# Allegro board trx_layout.brd (continued)
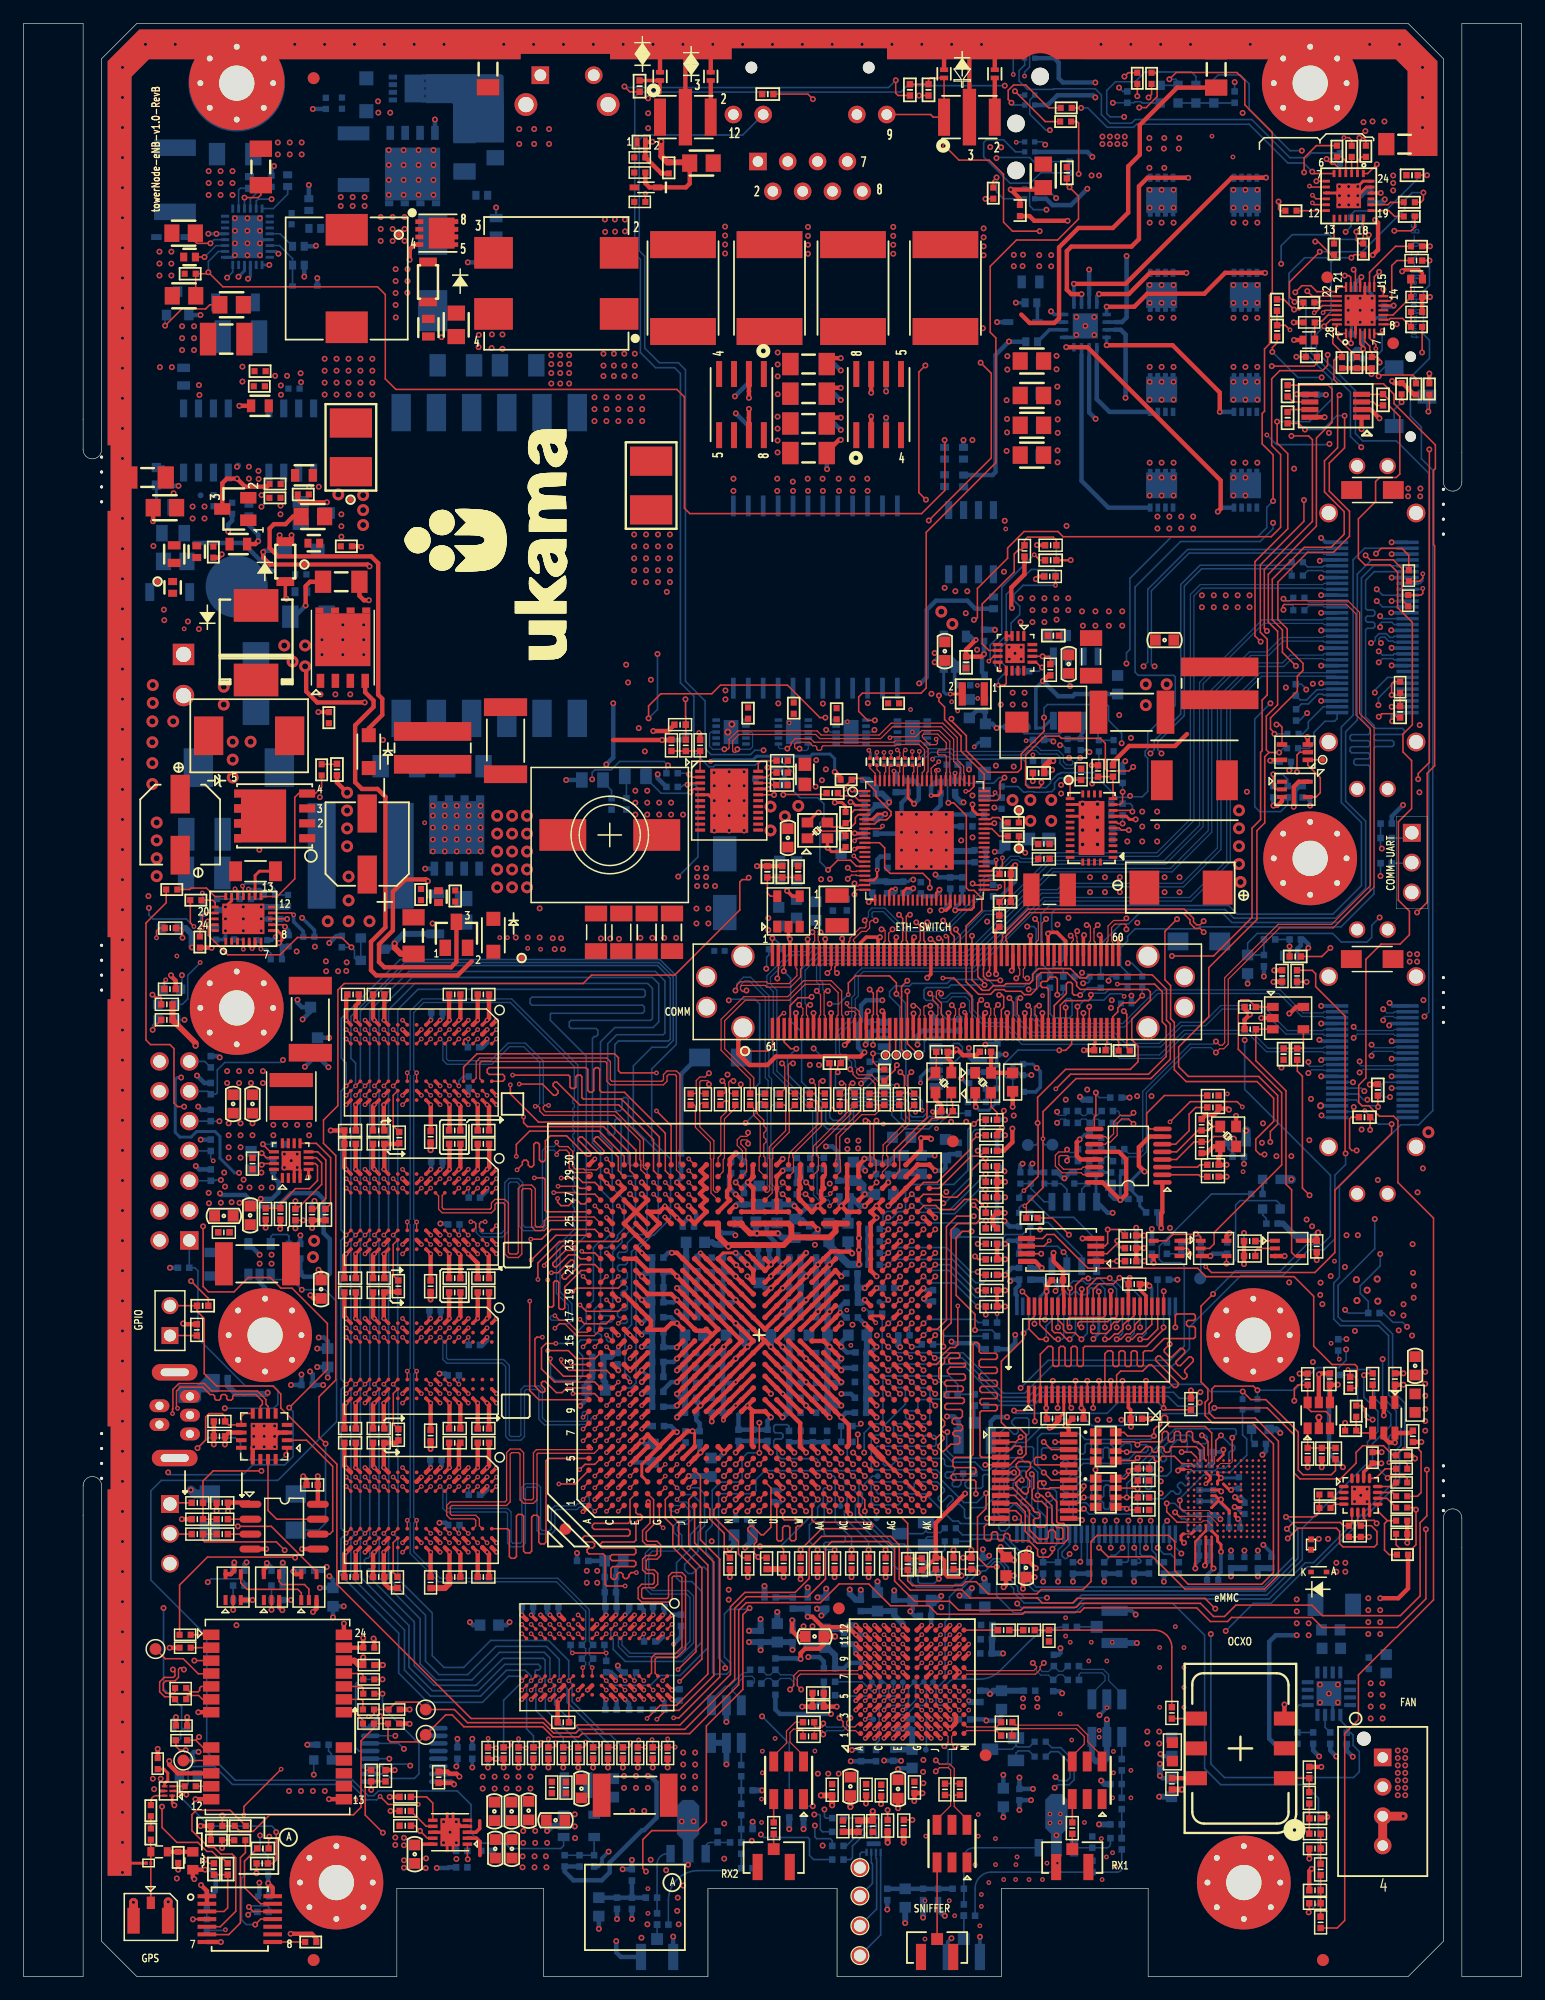
[diagram p0: board, top side]
## Routing (per net, layer and track width the routed paths; a pad name or vN(x,y) marks a point on that pad's centre or on a via; arc(x,y) is an arc through that point) (continued)
  TOP w0.137: R184.2 U31.3
N42451093: length 18.7
  TOP w0.137: v1(14.82,44.99) 15.52,45.69 15.52,47.65 15.8,47.93 16.94,47.93 17.17,47.69 C116.2 17.47,46.97 U26.9 18.55,47.69 18.81,47.94 U26.8 ; v1(22.38,44.42) 22.45,44.5 U26.1
  BOTTOM w0.137: v1(14.82,44.99) 15.7,45.87 18.03,45.87 18.49,45.41 18.49,44.29 18.8,43.99 21.95,43.99 v1(22.38,44.42)
N42452839: length 16.5
  BOTTOM w0.381: v1(53.19,17.08) 53.38,17.08 53.93,16.53 53.93,13.52 52.87,12.46 52.7,12.46 49.94,9.7 49.94,8.86 49.27,8.19 46.84,8.19 46.1,8.94 R477.1 C455.1
  vias: v1(51.16,17.08) v1(51.16,16.06) v1(52.17,17.08) v1(52.17,16.06) v1(53.19,16.06)
N42452847: length 4.1
  BOTTOM w0.137: R477.2 C455.2 R476.2 U69.5
N42452897: length 20.5
  BOTTOM w0.381: v1(16.74,66.68) 16.87,66.55 18.89,66.55 19.87,65.56 21.65,65.56 22.79,66.7 25.04,66.7 25.56,66.18 25.56,63.31 26.09,62.78 26.09,59.86 25.82,59.59 23.85,59.59 R388.1 C284.1
  vias: v1(15.77,66.73) v1(15.8,65.84) v1(16.81,65.89)
N42452899: length 5.5
  BOTTOM w0.137: R388.2 C284.2 R375.2 22.62,63.04 22.48,63.18 21.24,63.18 21.07,63 U63.5
N42578486: length 5.4
  TOP w0.137: C175.1 F5.2 D15.1 CON1.1
N42578540: length 1.8
  TOP w0.137: U41.6 11.33,15.4 arc(10.99,15.26) 10.85,14.91 L16.2
N42578542: length 1
  TOP w0.137: C175.2 L16.1
N42578544: length 3.5
  TOP w0.203: U41.2 13.08,15.8 13.39,15.49 v1(13.87,15.49) ; 12.02,16.36 U41.4
  TOP w0.254: C151.2 11.97,17.65 12.3,17.32 12.3,16.71 12.02,16.44 12.02,16.36
  vias: v1(11.02,16.84) v1(11.69,16.85)
N42578615: length 2.2
  TOP w0.381: F5.1 C180.1 FB1.1
N42578696: length 2.2
  TOP w0.137: R212.2 28.92,21.82 28.24,22.5 U37.18
N42578710: length 2.4
  TOP w0.137: U37.19 28.78,23.6 28.92,23.46 R209.2
N42578712: length 2.2
  TOP w0.137: U37.20 28.8,24.7 28.94,24.56 R207.2
N42578726: length 2
  TOP w0.137: R205.2 28.94,25.62 28.76,25.8 U37.21
N42578764: length 1.7
  TOP w0.137: R204.2 U37.2
N42578893: length 5.6
  TOP w0.137: TP17.1 12.07,27.06 13.61,27.06 14.89,25.78 15.97,25.78 U37.4
N42578999: length 2.6
  TOP w0.132: U37.5 15.14,24.7 15.01,24.57 15.01,24.37 14.88,24.24 14.18,24.24 R206.1
N42579001: length 2.5
  TOP w0.132: U37.6 15.25,23.6 14.92,23.93 13.99,23.93 13.86,23.8 R208.1
N42579047: length 3.8
  TOP w0.137: R215.1 14.68,20.12 ; 14.68,20.12 v1(14.96,20.4) ; 14.68,20.12 15.3,19.5 U37.8
  BOTTOM w0.152: R215.1 14.68,20.12 v1(14.96,20.4)
N42579075: length 1.7
  TOP w0.137: U37.1 R202.1
N42579110: length 1.1
  TOP w0.137: C155.1 U41.3
N42579218: length 2.4
  TOP w0.137: U37.9 15.99,18.39 TP20.1
N42624203:
  vias: v1(94.03,96.65) v1(95.3,99.19) v1(95.3,97.92) v1(95.3,96.65) v1(96.57,99.19) v1(96.57,97.92) v1(96.57,96.65)
N42624207: length 9.6
  TOP w0.254: U8.8 93.95,98.79 94.21,98.52 v1(94.74,98.52)
  TOP w0.381: 99.11,105.79 98.09,104.78 94.19,104.78 92.81,103.4 R75.2
  vias: v3(103.54,99.29) v3(103.54,97.76) v3(103.54,96.24) v3(103.54,94.72) v3(103.67,93.19)
N42624232: length 3.1
  TOP w0.137: U8.11 R75.1 R74.2
N42624335: length 2.9
  TOP w0.137: U8.6 93.34,97.79 93.52,97.61 v1(94.16,97.61)
  BOTTOM w0.137: v1(94.16,97.61) 92.91,97.61 C222.1
N42624343: length 1.6
  TOP w0.137: v1(93.63,98.17) 93.22,98.17 93.1,98.29 U8.7
  BOTTOM w0.137: C220.2 v1(93.63,98.17)
N42624475: length 2.5
  TOP w0.137: v1(93.63,100.86) 93.63,100.86 93.63,100 93.41,99.79 U8.10
  BOTTOM w0.137: v1(93.63,100.86) 93.63,100.87 C209.2
N42624491: length 3.1
  TOP w0.137: U8.9 94.36,99.29 v1(94.46,99.19)
  BOTTOM w0.137: v1(94.46,99.19) 94.46,99.68 94.27,99.87 R294.2
N42679388: length 1.3
  BOTTOM w0.137: U59.8 R319.2
N42679435: length 1.4
  BOTTOM w0.137: U58.8 R316.2
N42693172: length 2.7
  TOP w0.137: R230.2 R229.2 v1(29.62,15.89)
  BOTTOM w0.137: U68.1 29.54,15.97 v1(29.62,15.89)
N42694907: length 7.3
  TOP w0.107: U1.AF29 73.17,68.5 73.64,68.97 73.64,69.81 73.53,69.92 73.53,70.67 75.45,72.6 75.45,73.79 R121.2
N42694909: length 7.2
  TOP w0.107: R120.2 74.61,74.57 74.71,74.68 74.98,74.68 75.15,74.51 75.15,73.91 75.15,72.72 73.22,70.8 73.22,69.9 73.17,69.85 U1.AF30
N42710595: length 1.9
  BOTTOM w0.137: R296.1 117.82,96.93 J3.1
N42710598: length 1.7
  BOTTOM w0.137: J3.2 118.21,94.79 R298.1
N42788664: length 5
  TOP w0.381: v1(24.03,116.74) 24.03,118.38 24.42,118.76 R59.2
  BOTTOM w0.381: C199.1 23.08,115.78 24.03,116.73 v1(24.03,116.74)
N42788670:
  vias: v1(34.85,89.66)
N42788707: length 7.8
  BOTTOM w0.381: 21.33,119.7 21.05,119.7 18.69,122.06 14.53,122.06
N42795245: length 4.4
  TOP w0.381: R90.2 11.05,123.92 v1(11.04,123.91)
  BOTTOM w0.254: D24.A 11.32,125.46 11.04,125.18 v1(11.04,123.91)
N43028949: length 3.1
  BOTTOM w0.132: J13.35 110.76,120.11 110.67,120.02 109.39,120.02 R2.2
N43028955: length 3.1
  BOTTOM w0.132: R3.2 109.42,119.71 110.67,119.71 110.76,119.61 J13.36
N43067466: length 3.2
  TOP w0.137: R1.2 R8.1 108.86,79.02 109.03,79.18 U10.4
N43154729: length 35.9
  TOP w0.137: R481.2 74.24,77.2 74.24,77.44 v1(74.4,77.6) ; U1.AJ13 v1(76.67,51.61)
  L3-SIGNAL w0.127: v2(73.24,72.59) 73.24,72.92 72.88,73.29 72.88,76.08 v1(74.4,77.6)
  L6-SIGNAL w0.127: v1(76.67,51.61) 77.49,51.61 79.24,53.37 80.15,54.27 80.15,57.43 79.74,57.84 79.74,68.89 77.9,70.74 74.71,70.74 73.24,72.2 v2(73.24,72.59)
N43208299: length 2
  TOP w0.137: U44.7 107.9,133.42 R628.2
N43208302: length 2.1
  TOP w0.137: U44.6 108.14,134.07 R629.2
N43208378: length 37.8
  TOP w0.137: R630.2 113.44,50.09 113.62,50.27 113.62,51.92 113.43,52.11 111.47,52.11 109.91,53.67 109.91,57.91 108.23,59.59 100.74,59.59 100.02,60.31 98.41,60.31 90.67,60.31 87.8,63.18 87.16,63.18 86.82,62.84 U19.5
N43208587: length 3.1
  TOP w0.137: U21.24 110.65,142.27 110.07,141.69 109.98,141.69 v2(109.95,141.66)
  BOTTOM w0.137: R632.1 109.95,142.48 v2(109.95,141.66)
N43208593: length 6.8
  TOP w0.137: U21.25 110.91,141.87 v2(110.7,141.67) ; R633.1 v1(108.43,137.91)
  L3-SIGNAL w0.127: v2(110.7,141.67) 109.45,140.42 109.45,138.94 v1(108.43,137.91)
N43211621: length 4.9
  TOP w0.137: U83.5 63.63,91.99 63.37,92.25 R545.2 C600.2 R546.2
N43242042: length 10.5
  TOP w0.137: R622.2 18.9,10.54 18.48,10.12 18.48,4.56 17.48,3.57 15.65,3.57 U87.6
N43242052: length 18.9
  TOP w0.137: R623.2 17.61,14.16 14.72,14.16 14.35,13.79 14.35,12.41 15.76,11 16.23,11 16.8,10.43 17.77,10.43 18.09,10.11 18.09,5.56 16.77,4.24 U87.5
N43242094: length 3.4
  TOP w0.137: v1(14.43,4.87) 14.45,4.89 U87.4
  BOTTOM w0.137: v1(14.43,4.87) 14.44,4.87 R682.2 15.62,5.93 R624.1
N43270144: length 2.8
  TOP w0.137: R621.1 119.76,133.33 v1(119.67,133.25)
  BOTTOM w0.137: v1(119.67,133.25) 119.56,133.36 SW10.2
N43275465: length 5
  TOP w0.137: v1(113.54,148.56) 113.54,148.56 113.54,147.83 113.82,147.55 R634.2 114.13,148.03 114.14,148.03 U242.18
  BOTTOM w0.137: v1(113.54,148.56) 114.04,149.06 R674.2
N43315191: length 3
  TOP w0.137: U242.19 116.3,150.36 116.8,149.86 R635.2
N43315200: length 2.9
  TOP w0.137: R636.2 117.57,151.06 116.44,151.06 116.24,150.86 U242.20
N43315266: length 2.8
  TOP w0.137: R637.1 U87.8
N43362872: length 4.4
  TOP w0.137: U87.12 19.57,5.54 19.2,5.9 v1(19.2,5.92)
  BOTTOM w0.137: R616.1 20.91,5.53 20.91,5.89 20.79,6.02 19.3,6.02 v1(19.2,5.92)
N43362878: length 6.8
  TOP w0.137: U87.13 20.21,6.19 18.83,7.57 18.83,9.82 R627.1
N43366572: length 114.5
  TOP w0.137: U1.AG15 v2(73.68,54.61) ; R638.1 21.24,9.63 21.53,9.92 v1(21.53,12.29) ; v2(30.38,15.33) 31.06,14.65 v2(33.63,14.65)
  L3-SIGNAL w0.127: v2(33.63,14.65) 57.43,14.65 58.35,15.57 58.35,21.51 57.93,21.92 57.93,31.99 57.45,32.47 57.45,43.63 60.02,46.2 66.58,46.2 67.89,47.51 67.89,52.5 68.48,53.09 69.82,53.09 70.48,53.74 v2(70.48,53.74)
  L6-SIGNAL w0.127: v2(70.48,53.74) 70.87,54.13 72.97,54.13 73.44,54.61 v2(73.68,54.61)
  BOTTOM w0.137: v1(21.53,12.29) 21.53,12.44 21.16,12.8 15.85,12.8 13.34,15.32 13.34,15.7 14.02,16.38 14.02,17.62 14.28,17.88 16.27,17.88 17.8,16.35 27.91,16.35 29.22,15.04 30.09,15.04 v2(30.38,15.33)
N43380700: length 1.4
  TOP w0.107: U243.80 75.75,102.5 75.85,102.59 75.85,103 C608.1
N43380720: length 1.4
  TOP w0.107: U243.82 74.95,102.99 C614.1
N43380722: length 1.4
  TOP w0.107: U243.83 74.55,102.5 74.65,102.59 74.65,102.99 C611.1
N43380724: length 1.4
  TOP w0.107: C615.1 73.45,102.99 73.45,102.59 73.35,102.5 U243.86
N43380726: length 1.4
  TOP w0.107: U243.85 73.75,102.99 C609.1
N43380728: length 1.4
  TOP w0.107: C613.1 72.7,102.77 72.95,102.52 U243.87
N43380730: length 1.5
  TOP w0.107: C612.1 72.1,102.9 72.55,102.45 U243.88
N43380823: length 1.4
  TOP w0.107: U243.79 76.15,102.98 C610.1
N43385255: length 7.5
  TOP w0.381: v2(81.15,113.8) 81.13,113.8 81.13,113.82 80.29,112.98 C637.2 81.61,112.38 v1(81.82,112.59)
  BOTTOM w0.381: v2(81.15,113.8) 81.13,113.8 81.13,113.86 80.9,113.86 80.65,114.1 U245.5 ; R640.1 81.65,111.06 81.65,112.42 v1(81.82,112.59) R641.1
N43385297: length 3.8
  TOP w0.254: v2(78.95,109.2) 79.96,109.2 L50.2
  BOTTOM w0.254: v2(78.95,109.2) 78.57,109.2 78.39,109.38 U245.3
N43486484: length 2.2
  TOP w0.137: U246.4 v2(18.73,87.47)
  BOTTOM w0.137: v2(18.73,87.47) 18.73,88.13 18.56,88.3 C645.1
N43486486: length 1.9
  TOP w0.137: U246.22 15.86,90.06 v2(15.68,89.87)
  BOTTOM w0.381: v2(15.68,89.87) 15.68,89.62 16.07,89.24 C646.1
N43486488: length 2.1
  TOP w0.137: U246.9 22.14,89.56 22.28,89.42 v1(22.28,89.38)
  BOTTOM w0.305: C647.1 22.6,89.06 v1(22.28,89.38)
N43486622: length 3.7
  TOP w0.137: U246.17 18.23,92.46 18.1,92.59 18.04,92.59 v2(18.02,92.61)
  BOTTOM w0.137: R646.2 R645.1 18.43,92.21 v2(18.02,92.61)
N43486628: length 5.5
  TOP w0.137: U246.16 18.73,92.63 18.66,92.7 v2(18.66,92.85)
  BOTTOM w0.137: v2(18.66,92.85) 18.85,93.04 20.96,93.04 21.43,92.56 R643.1 R644.2
N43486642: length 4.2
  TOP w0.137: U246.11 22.83,90.56 22.99,90.4 v2(23.02,90.4)
  BOTTOM w0.305: v2(23.02,90.4) 23.02,89.81 23.84,88.99 R647.1
N43486656: length 3.1
  TOP w0.137: v2(20.22,87.49) 20.23,87.49 20.24,87.49 20.24,88.15 U246.7
  BOTTOM w0.137: R648.1 19.82,87.89 v2(20.22,87.49) 20.23,87.48 20.72,87.48 21.07,87.14 R649.2
N43486718: length 3.3
  TOP w0.254: 21.08,94.11 20.09,94.11 19.73,93.74 U246.14
N43487761: length 4.5
  TOP w0.137: U246.19 16.3,91.96 15.58,92.68 14.28,92.68 14.15,92.55 R654.2
N43487763: length 1.6
  TOP w0.137: U246.20 16.33,91.44 16.13,91.64 R651.2
N43487767: length 4.4
  TOP w0.137: U246.21 15.46,90.56 15.24,90.34 v2(15.24,89.3) 15.02,89.08 R652.2
  BOTTOM w0.137: R653.2 15.08,90.29 15.08,89.46 v2(15.24,89.3)
N43521988: length 0.9
  BOTTOM w0.137: R655.1 82.92,76.52 U248.4
N43521990: length 2.4
  BOTTOM w0.137: R657.1 80.57,77.01 R656.2 82.89,77.01 U248.5
N43539411: length 14.1
  TOP w0.137: R716.2 25.4,101.26 24.86,100.72 Q1.4 23.44,100.72 23.11,100.4 23.11,93.46 21.61,91.96 U246.13
N43714392: length 40.2
  TOP w0.137: v2(75.59,52.71) 75.18,53.11 U1.AH14 ; R661.1 68.78,77.64 68.78,74.11 69.18,73.71 69.45,73.71 v2(69.57,73.59)
  L3-SIGNAL w0.127: v2(75.59,52.71) 75.59,52.72 75.21,53.1 75.21,53.85 74.98,54.08 72.36,54.08 72.23,54.2 72.23,54.8 72.69,55.26 73.02,55.26 73.15,55.39 73.15,69.73 76.04,72.62 76.04,73.62 75.96,73.69 75.95,73.69 75.95,73.6 76.01,73.6 76.01,73.6 v2(75.99,73.6)
  BOTTOM w0.137: v2(69.57,73.59) 69.58,73.6 69.58,74.75 70.01,75.18 71.79,75.18 71.87,75.26 75.21,75.26 75.99,74.48 v2(75.99,73.6)
N43715774: length 33.6
  BOTTOM w0.137: LED11.4 85.29,162.76 84.81,162.28 84.81,161.39 85.52,160.68 87.71,160.68 87.76,160.73 91.29,160.73 91.82,160.21 91.82,158.54 92.55,157.8 94.39,157.8 94.7,158.11 104.63,158.11 107.88,154.86 109.27,154.86 109.67,155.26 R662.2
N43715777: length 15
  TOP w0.137: R663.2 94.11,162.1 v1(93.78,161.77)
  L6-SIGNAL w0.127: v1(93.78,161.77) 90.86,161.78 89.33,160.25 86.01,160.25 v2(84.31,161.95)
  BOTTOM w0.137: v2(84.31,161.95) 84.31,163.71 84.79,164.19 LED11.3
N43715788: length 19.2
  TOP w0.137: v1(95.05,159.13) 95.64,159.13 96.57,160.06 96.57,161.93 96.4,162.1 R664.2
  L3-SIGNAL w0.127: v2(85.27,161.81) 85.27,160.88 86.21,159.94 88.57,159.94 89.44,160.81 92.69,160.81 94.36,159.13 v1(95.05,159.13)
  BOTTOM w0.137: LED11.2 85.71,163.76 85.71,162.59 85.27,162.16 v2(85.27,161.81)
N43715791: length 7.8
  TOP w0.137: R665.2 87.33,159.1 85.38,161.06 84.34,161.06 83.88,160.6 83.88,159.82 v1(84.16,159.54)
  BOTTOM w0.137: v1(84.16,159.54) 84.35,159.35 LED11.8
N43715802: length 5.9
  TOP w0.137: R667.2 87.04,157.94 v1(84.46,160.52)
  BOTTOM w0.137: LED11.7 84.78,160.2 v1(84.46,160.52)
N43715805: length 36.7
  TOP w0.137: v1(113.8,156.56) 114.16,156.56 114.35,156.37 R666.2
  L3-SIGNAL w0.127: v1(103.85,158.68) 103.85,156.73 103.29,156.16 100.68,156.16 99.3,157.55 87.77,157.55 v1(87.43,157.21)
  L6-SIGNAL w0.127: v1(113.8,156.56) 112.92,155.68 110.77,155.68 109.98,154.89 107.64,154.89 v1(103.85,158.68)
  BOTTOM w0.137: v1(87.43,157.21) 87.09,157.21 85.72,158.58 85.72,159.78 LED11.6
N43715812: length 13.8
  BOTTOM w0.137: LED11.12 84.51,155.36 83.48,156.39 82.03,156.39 81.79,156.15 81.79,154.94 84.03,152.7 85.77,152.7 86.66,153.58 R668.2
N43715815: length 30.1
  TOP w0.137: v1(106.91,151.13) 106.91,150.49 107.05,150.35 R670.2
  L6-SIGNAL w0.127: v1(106.91,151.13) 106.91,153.59 102.26,158.24 94.82,158.24 94.2,158.87 93.44,158.87 92.84,158.27 87.76,158.27 85.67,156.18 v2(84.57,156.18)
  BOTTOM w0.137: v2(84.57,156.18) 84.6,156.21 LED11.11
N43715818: length 29.3
  TOP w0.137: v2(112.48,156.57) 112.92,156.57 113.15,156.35 R669.2
  L3-SIGNAL w0.127: v2(112.48,156.57) 111.28,155.37 109.73,155.37 109.22,154.86 108.08,154.86 107.6,155.35 98.99,155.35 98.42,154.78 92.12,154.78 90.93,155.97 v1(87.03,155.97)
  BOTTOM w0.137: LED11.10 86.8,156.21 v1(87.03,155.97)
N43715839: length 4.8
  TOP w0.137: R671.2 82.61,152.9 v1(82.89,153.18)
  BOTTOM w0.137: LED11.16 83.48,151.37 82.89,151.96 v1(82.89,153.18)
N43715844: length 40
  TOP w0.137: R672.2 111.39,146.6 110.27,147.72 v1(110.04,147.72)
  L6-SIGNAL w0.127: v1(87.14,150.44) 87.18,150.4 87.79,150.4 88.52,151.13 88.52,151.61 88.32,151.82 88.32,155.05 90.83,157.56 101.8,157.56 105.11,154.25 105.11,152.96 106.05,152.02 106.05,149.78 108.11,147.72 v1(110.04,147.72)
  BOTTOM w0.137: LED11.15 85.5,152.22 85.71,152.01 85.71,150.77 86.04,150.44 v1(87.14,150.44)
N43715855: length 39.3
  TOP w0.137: R673.2 110.13,155.89 109.09,154.85 v1(109.09,153.62)
  L6-SIGNAL w0.127: v1(87.97,151.42) 87.97,155.25 90.61,157.89 102.03,157.89 106.42,153.5 106.42,150.81 106.63,150.6 107.47,150.6 109.09,152.21 v1(109.09,153.62)
  BOTTOM w0.137: LED11.14 87.17,152.22 v1(87.97,151.42)
N43728304: length 5.9
  TOP w0.137: R675.1 R676.1 17.39,5.85 17.08,5.54 U87.3
N43728448: length 65.3
  TOP w0.137: v2(107.89,140.2) 107.5,140.59 R678.1 106.78,140.6 R677.1 ; v1(105.92,114.57) 105.7,114.79 105.7,119.79 109.8,123.89 109.8,130.85 109.47,131.17 108.01,131.17 v1(108.01,131.17) ; v2(80.27,100.92) 80.55,100.92 80.95,101.32 U243.67
  L3-SIGNAL w0.127: v2(107.89,140.2) 107.19,139.51 107.19,133.36 108.04,132.51 108.04,131.17 v1(108.01,131.17)
  L6-SIGNAL w0.127: v2(80.27,100.92) 80.27,101.31 80.81,101.86 80.81,102.25 86.94,108.38 88.28,108.38 93.24,113.33 93.87,113.33 94.96,114.42 105.78,114.42 v1(105.92,114.57)
N43748365: length 5.3
  BOTTOM w0.137: R689.1 85.26,105.82 88.31,105.82 89,106.51 U250.7
N43748745: length 2.9
  BOTTOM w0.137: R691.2 92.85,105.26 R690.1 91.54,105.32 U250.5
N43748748: length 2.8
  BOTTOM w0.254: U250.6 90.27,105.93 90.06,105.71 R692.2 R688.1
N43750978: length 1.9
  TOP w0.137: v2(82.76,100.81) 82.76,100.67 82.63,100.53 U243.65
  BOTTOM w0.137: R697.2 83.2,100.37 v2(82.76,100.81)
N43750983: length 8.7
  TOP w0.137: v1(83.56,102.08) 83.19,101.71 83.19,100.39 82.93,100.13 U243.64
  BOTTOM w0.137: v1(83.56,102.08) 83.12,102.08 82.64,101.61 80.29,101.61 79.85,102.04 79.85,102.92 R698.2
N43767220: length 4.8
  BOTTOM w0.137: R708.1 103.16,159.52 LED21.2 LED22.2 LED20.2
N43798288: length 25.6
  TOP w0.137: R664.1 96.1,160.25 v1(95.84,159.99) ; v1(115.28,154.3) 114.5,153.51 U242.1
  L3-SIGNAL w0.127: v2(101.24,156.69) 100.74,156.69 99.55,157.89 96.19,157.89 95.84,158.24 v1(95.84,159.99) ; v1(115.28,154.3) 107.99,154.3 107.42,154.87 103.08,154.87 v2(103.03,154.92)
  L6-SIGNAL w0.127: v2(101.24,156.69) 103.01,154.92 v2(103.03,154.92)
N43798293: length 1.9
  TOP w0.137: U242.2 113.64,154.55 114.02,154.94 R666.1
N43798298: length 1.4
  TOP w0.137: R669.1 113.14,154.92 U242.3
N43798303: length 2
  TOP w0.137: U242.4 112.64,154.57 112.27,154.94 111.89,154.94 R673.1
N43798308: length 3.2
  TOP w0.137: v1(111,154.75) 111.44,154.31 111.71,154.31 112.14,153.88 U242.5
  BOTTOM w0.137: R662.1 111.69,154.76 111,154.76 v1(111,154.75)
N43798313: length 24.9
  TOP w0.137: R665.1 v1(90.1,159.1) ; U242.6 109.92,153.51 109.78,153.65 v1(109.78,153.68)
  BOTTOM w0.137: v1(109.78,153.68) 109.05,154.41 107.7,154.41 104.4,157.72 94.83,157.72 94.57,157.45 92.31,157.45 90.66,159.1 v1(90.1,159.1)
N43798318: length 40.3
  TOP w0.137: U242.7 v1(110.13,152.86)
  L6-SIGNAL w0.127: v1(82.88,154.83) 83.34,154.83 83.81,155.29 83.81,156.07 84.35,156.62 85.6,156.62 87.61,158.62 92.73,158.62 93.32,159.21 94.32,159.21 94.91,158.62 102.44,158.62 106.87,154.19 110.05,154.19 110.3,153.94 110.3,153.03 v1(110.13,152.86)
  BOTTOM w0.137: R668.1 86.06,154.53 85.71,154.88 82.93,154.88 v1(82.88,154.83)
N43798323: length 34
  TOP w0.137: v1(81.95,151.36) 81.96,151.37 R671.1 ; U242.8 109.63,152.36 v2(109.55,152.45)
  L3-SIGNAL w0.127: v1(81.95,151.36) 82.38,150.93 88.98,150.93 89.72,151.67 89.72,152.63 89.43,152.92 89.43,153.97 89.91,154.45 107.09,154.45 109.1,152.45 v2(109.55,152.45)
N43798328: length 23.4
  TOP w0.137: R663.1 v1(94.88,160.1) ; v2(109.8,151.67) 110.1,151.36 U242.10
  L6-SIGNAL w0.127: v2(109.8,151.67) 110.65,152.53 110.65,154.05 110.18,154.52 107.17,154.52 102.69,159 95.98,159 v1(94.88,160.1)
N43798333: length 28.4
  TOP w0.137: R667.1 89.75,157.94 89.89,157.8 v1(89.89,153.48) ; v2(109.79,151.02) 109.95,150.86 U242.11
  L3-SIGNAL w0.127: v1(89.89,153.48) 90.49,154.08 94.81,154.08 95.57,153.32 97.6,153.32 98.39,154.12 106.7,154.12 v2(109.79,151.02)
N43798338: length 2.5
  TOP w0.137: U242.12 110.97,150.35 R670.1
N43798343: length 2.2
  TOP w0.137: R672.1 111.64,148.67 111.64,148.68 U242.13
N43976624: length 1.3
  TOP w0.137: R716.1 26.67,103.22 C653.1
N43976789: length 19.6
  TOP w0.137: U246.23 15.95,89.56 15.75,89.36 15.75,88.65 17.4,87 21.86,87 23.34,88.47 27.1,88.47 v1(27.94,87.63)
  BOTTOM w0.137: Q34.2 Q34.1 28.39,86.52 28.2,86.72 28.2,87.38 v1(27.94,87.63) C654.2
N44031167: length 5.7
  TOP w0.137: U21.16 114.66,145.1 116.88,147.32 R679.1
N44031277: length 5.4
  TOP w0.137: R385.2 116.99,146.11 116.56,145.68 116.56,142.81 116.42,142.67 U21.13
N44032590: length 9.5
  TOP w0.137: v1(71.67,39.61) 71.67,40.59 71.17,41.09 U1.AD2
  BOTTOM w0.137: R725.2 75.58,35.2 R720.1 75.57,36.27 75.01,36.83 74.08,36.83 71.75,39.16 71.75,39.53 v1(71.67,39.61)
N44032640: length 9.4
  TOP w0.137: R724.2 75.33,35.59 R721.1 75.32,38.57 74.78,39.11 71.5,39.11 71.17,39.44 U1.AD1
N44179277: length 1
  TOP w0.137: R727.2 TP53.1
N44179298: length 1
  TOP w0.137: R726.2 TP52.1
N44179382: length 2.3
  TOP w0.137: U243.58 82.48,97.73 83.13,97.09 R726.1
N44202770: length 2.2
  TOP w0.137: U243.60 82.38,98.53 82.53,98.68 83.09,98.68 83.51,98.26 R727.1
N44263609: length 17.4
  BOTTOM w0.137: C656.2 81.07,7.49 arc(81.47,8.48) 82.46,8.89 R733.1 93.17,8.89 arc(93.33,8.92) 93.47,9.02 arc(93.54,9.11) 93.56,9.21 C655.1
N44265674: length 11.1
  BOTTOM w0.137: C657.1 R735.1 61.15,9.15 61.01,9.02 57.48,9.02 arc(55.68,8.27) 54.94,6.48 C658.2
N373888061: length 1.4
  BOTTOM w0.137: R103.2 25.99,19.2 26.23,18.96 LED5.2
N375864650: length 2.1
  TOP w0.137: U38.4 R211.1
N376509451: length 1.4
  BOTTOM w0.137: LED4.1 105.55,64.86 105.87,64.54 R101.1
N377864440: length 2.4
  TOP w0.137: v2(11.33,88.44) 11.33,89.03 11.57,89.27 R114.1
  BOTTOM w0.137: LED10.1 11.75,89.05 11.33,88.63 v2(11.33,88.44)
N427909890: length 1.4
  BOTTOM w0.381: C188.1 40.26,147.03 R258.2
N4337991173: length 2.3
  TOP w0.137: U243.1 70.73,100.93 v1(70.61,101.06)
  BOTTOM w0.137: R639.2 70.94,100.72 v1(70.61,101.06)
N4337991175: length 2.6
  TOP w0.137: R660.1 69.61,100.53 70.77,100.53 71.16,100.13 U243.3
N4348646421: length 1.9
  TOP w0.137: v1(22.46,90.04) 22.44,90.06 U246.10
  BOTTOM w0.305: R642.2 22.06,90.04 22.07,90.04 v1(22.46,90.04)

## Copper pours and planes (outline as drawn; the poured copper is in the pictures)
1V3_TX1 on BOTTOM: 79.25,31.62 79.25,27.18 79.58,26.85 81.68,26.85 81.87,27.04 81.87,30.38 81.97,30.48 81.98,30.48 82.43,30.93 82.43,31.75 82.29,31.89 79.53,31.89
1V3_TX1 on L6-SIGNAL: 87.89,28.35 87.89,23.63 89.45,23.63 89.45,28.35
1V3_TX2 on L4-PWR1: 67.31,31.8 70.96,31.8 70.97,31.8 75.57,31.8 76.52,30.85 76.52,21.47 76.23,21.18 68.46,21.18 68.2,21.44 68.2,23.8 68.48,24.08 73.61,24.08 73.69,24 74.35,24.66 74.35,28.94 74.06,29.23 71.41,29.23 71.13,28.95 71.13,27.41 70.99,27.27 68.64,27.27 68.48,27.43 68.48,29.82 67.11,31.19 67.11,31.6
1V5 on TOP: 21.98,58.83 24.57,58.83 24.57,60.62 25.99,60.62 25.99,63.22 21.98,63.22
1V5 on BOTTOM: 59.86,63.72 59.86,63.72 61.39,63.72 61.39,70.38 62.64,70.38 62.64,77.14 59.69,77.14 59.69,77.18 57.19,77.18 56.98,76.97 56.99,71.67 57.09,71.57 57.43,71.57 58.53,70.47 58.53,63.72 ; 1 cut-out
1V5 on L5-PWR2: 51.99,98.49 35.36,98.49 35.36,83.19 30.18,83.19 30.18,63.66 29.62,63.66 29.62,60.54 23.74,60.54 23.74,65.33 25.48,65.33 25.48,103.44 59.26,103.44 59.26,78.29 61.69,78.29 61.69,74.78 51.99,74.78
1V8 on TOP: 54.2,13.61 54.2,17.31 55.86,17.31 55.86,19.43 57.5,19.43 57.5,17.31 57.51,17.31 57.51,13.84 55.56,13.84 55.56,13.61
1V8 on BOTTOM: 59.59,39.06 59.59,33.63 59.89,33.33 73.03,33.33 73.08,33.38 73.08,33.58 73.26,33.76 73.66,33.76 73.84,33.93 73.84,35.76 73.68,35.92 61.22,35.92 61.06,36.07 61.06,39.82 61.01,39.88 60.31,39.88 60.25,39.82 60.25,39.37 60.02,39.14 59.67,39.14
1V8 on L5-PWR2: 50.18,35.47 50.3,35.47 50.3,45.63 87.21,45.63 87.21,33.73 61.54,33.73 61.54,30.12 61.54,30.12 61.24,29.82 61.24,28.84 61.54,28.53 61.54,13.82 50.18,13.82
1V15 on TOP: 78.22,106.17 78.22,110.64 79.31,111.73 82.31,111.73 82.58,111.46 82.58,105.45 82.75,105.28 84.63,105.28 84.63,102.59 81.79,102.59 ; 2 cut-outs
1V15 on BOTTOM: 82.93,110.67 79.09,110.67 78.47,110.05 78.47,105.53 79.58,104.42 82.46,104.42 82.58,104.53 82.58,110.27 82.93,110.61
1V15 on BOTTOM: 81.1,103.38 84.99,103.38 84.99,102.38 84.9,102.3 83.63,102.3 83.33,102 83.33,101.76 83.13,101.57 81.23,101.57 81.1,101.69
1V35 on TOP: 22.56,83.62 26.26,83.62 26.26,84.8 26.64,85.18 27.77,85.18 28.08,85.49 28.08,86.31 27.69,86.7 22.93,86.7 22.56,86.33
1V35 on TOP: 38.51,10.67 38.51,8.94 38.61,8.84 44.86,8.84 45.11,9.09 45.11,10.57 45.01,10.67
1V35 on BOTTOM: 51.82,23.98 54,23.98 54.05,23.93 54.05,22.45 54,22.4 52.16,22.4 52.16,23.28 52.08,23.37 51.95,23.37 51.82,23.5
1V35 on BOTTOM: 39.93,9.04 44.91,9.04 44.91,10.54 40.92,10.54 40.92,10.97 39.78,10.97 39.69,10.88 39.69,9.29
1V35 on BOTTOM: 23.79,86.98 23.79,83.63 26.12,83.63 26.12,85 27.77,85 27.77,86.98
1V35 on L4-PWR1: 24.04,77.79 24.04,47.29 24.02,47.27 24.02,42.71 24.04,42.69 24.04,10.1 26.01,8.13 45.15,8.13 45.15,14.38 36.03,14.38 36.03,20.89 60.83,20.89 60.83,46.58 53.8,46.58 53.64,46.74 53.64,63.25 54.41,64.01 57.07,64.01 57.2,64.13 57.2,68.07 57.07,68.2 43.99,68.2 41.58,70.61 41.58,81.53 41.2,81.92 38.05,81.92 38.05,86.95 25.55,86.95 25.55,81.17 25.53,81.17 25.53,77.79
3V3 on TOP: 117.96,153.68 116.39,153.68 116.39,151.72 116.24,151.57 114.51,151.57 114.49,151.55 114.49,151.1 116.03,151.1 116.03,151.1 116.34,151.1 116.88,151.64 118,151.64 118.12,151.76 118.12,153.52
3V3 on TOP: 118.01,51.69 118.01,49.15 119.66,49.15 119.66,51.69
3V3 on TOP: 98.04,105.8 98.04,110.85 94.75,110.85 94.75,105.8
3V3 on TOP: 47.6,14.23 45.63,14.23 45.63,11.43 47.6,11.43
3V3 on TOP: 112.99,34.2 112.99,35.46 112.83,35.62 110.92,35.62 110.75,35.45 110.75,34.21 110.92,34.04 112.83,34.04
3V3 on TOP: 91.54,105.18 87.45,105.18 87.45,100.36 88.64,100.36 88.86,100.58 88.86,102.18 88.89,102.21 90.72,102.21 91.54,103.03
3V3 on TOP: 77.64,116.91 77.64,113.08 79.61,113.08 79.61,114.39 80.98,114.39 80.98,116.91
3V3 on TOP: 64.95,90.62 64.95,88.87 63.15,88.87 63.15,90.62
3V3 on TOP: 35.02,11.07 34.19,11.07 33.76,10.64 30.71,10.64 30.71,13.16 32.32,13.16 32.32,12.32 32.53,12.11 33.41,12.11 34.09,11.43 35.02,11.43
3V3 on TOP: 18.59,60.57 18.72,60.44 21.42,60.44 21.51,60.54 21.51,61.59 21.39,61.71 20.5,61.71 20.49,61.72 20.25,61.72 19.98,61.99 19.98,64.36 19.8,64.54 18.84,64.54 18.59,64.29
3V3 on BOTTOM: 94.6,110.46 94.6,110.64 85.82,110.64 85.82,103.75 98.1,103.75 98.1,110.46 ; 4 cut-outs
3V3 on BOTTOM: 86.8,96.05 89.55,96.05 89.68,96.18 89.68,101.71 88.09,101.71 88.09,98.03 87.72,97.66 86.69,97.66 86.68,97.65 86.68,96.17
3V3 on BOTTOM: 18.72,62.86 18.72,60.82 19,60.54 21.36,60.54 21.51,60.7 21.51,61.71 20.12,61.71 19.74,62.09 19.74,62.86
3V3 on BOTTOM: 14.31,14.63 27.2,14.63 28.23,13.6 28.74,13.6 31.43,10.91 32.93,10.91 33.2,11.18 33.2,14.97 32.9,15.27 29.01,15.27 28.03,16.24 16,16.24 16,17.7 14.31,17.7
3V3 on BOTTOM: 70.98,60.33 70.98,63.94 72.27,63.94 72.27,60.33
3V3 on BOTTOM: 63.05,90.46 63.05,88.72 65,88.72 65,89.87 63.82,89.87 63.74,89.95 63.74,90.37 63.65,90.46
3V3 on BOTTOM: 74.58,71.98 70.16,71.98 69.93,71.76 69.93,68.96 70.01,68.88 71.15,68.88 71.2,68.93 71.2,70.39 71.68,70.87 74.53,70.87 74.58,70.92
